# Altium PCB 智能马桶综合检测台V2.0.PcbDoc (part 1 of 2)
Units mil, origin at the board's own origin, x right, y up, seen from the top; angles counter-clockwise.
Board outline 8070.87 x 6102.36 mil, 2 copper layers (Top Layer, Bottom Layer); 199 components, 169 nets, 733 pads, 77 vias.
Unrouted connection lines stored in the file: 91.
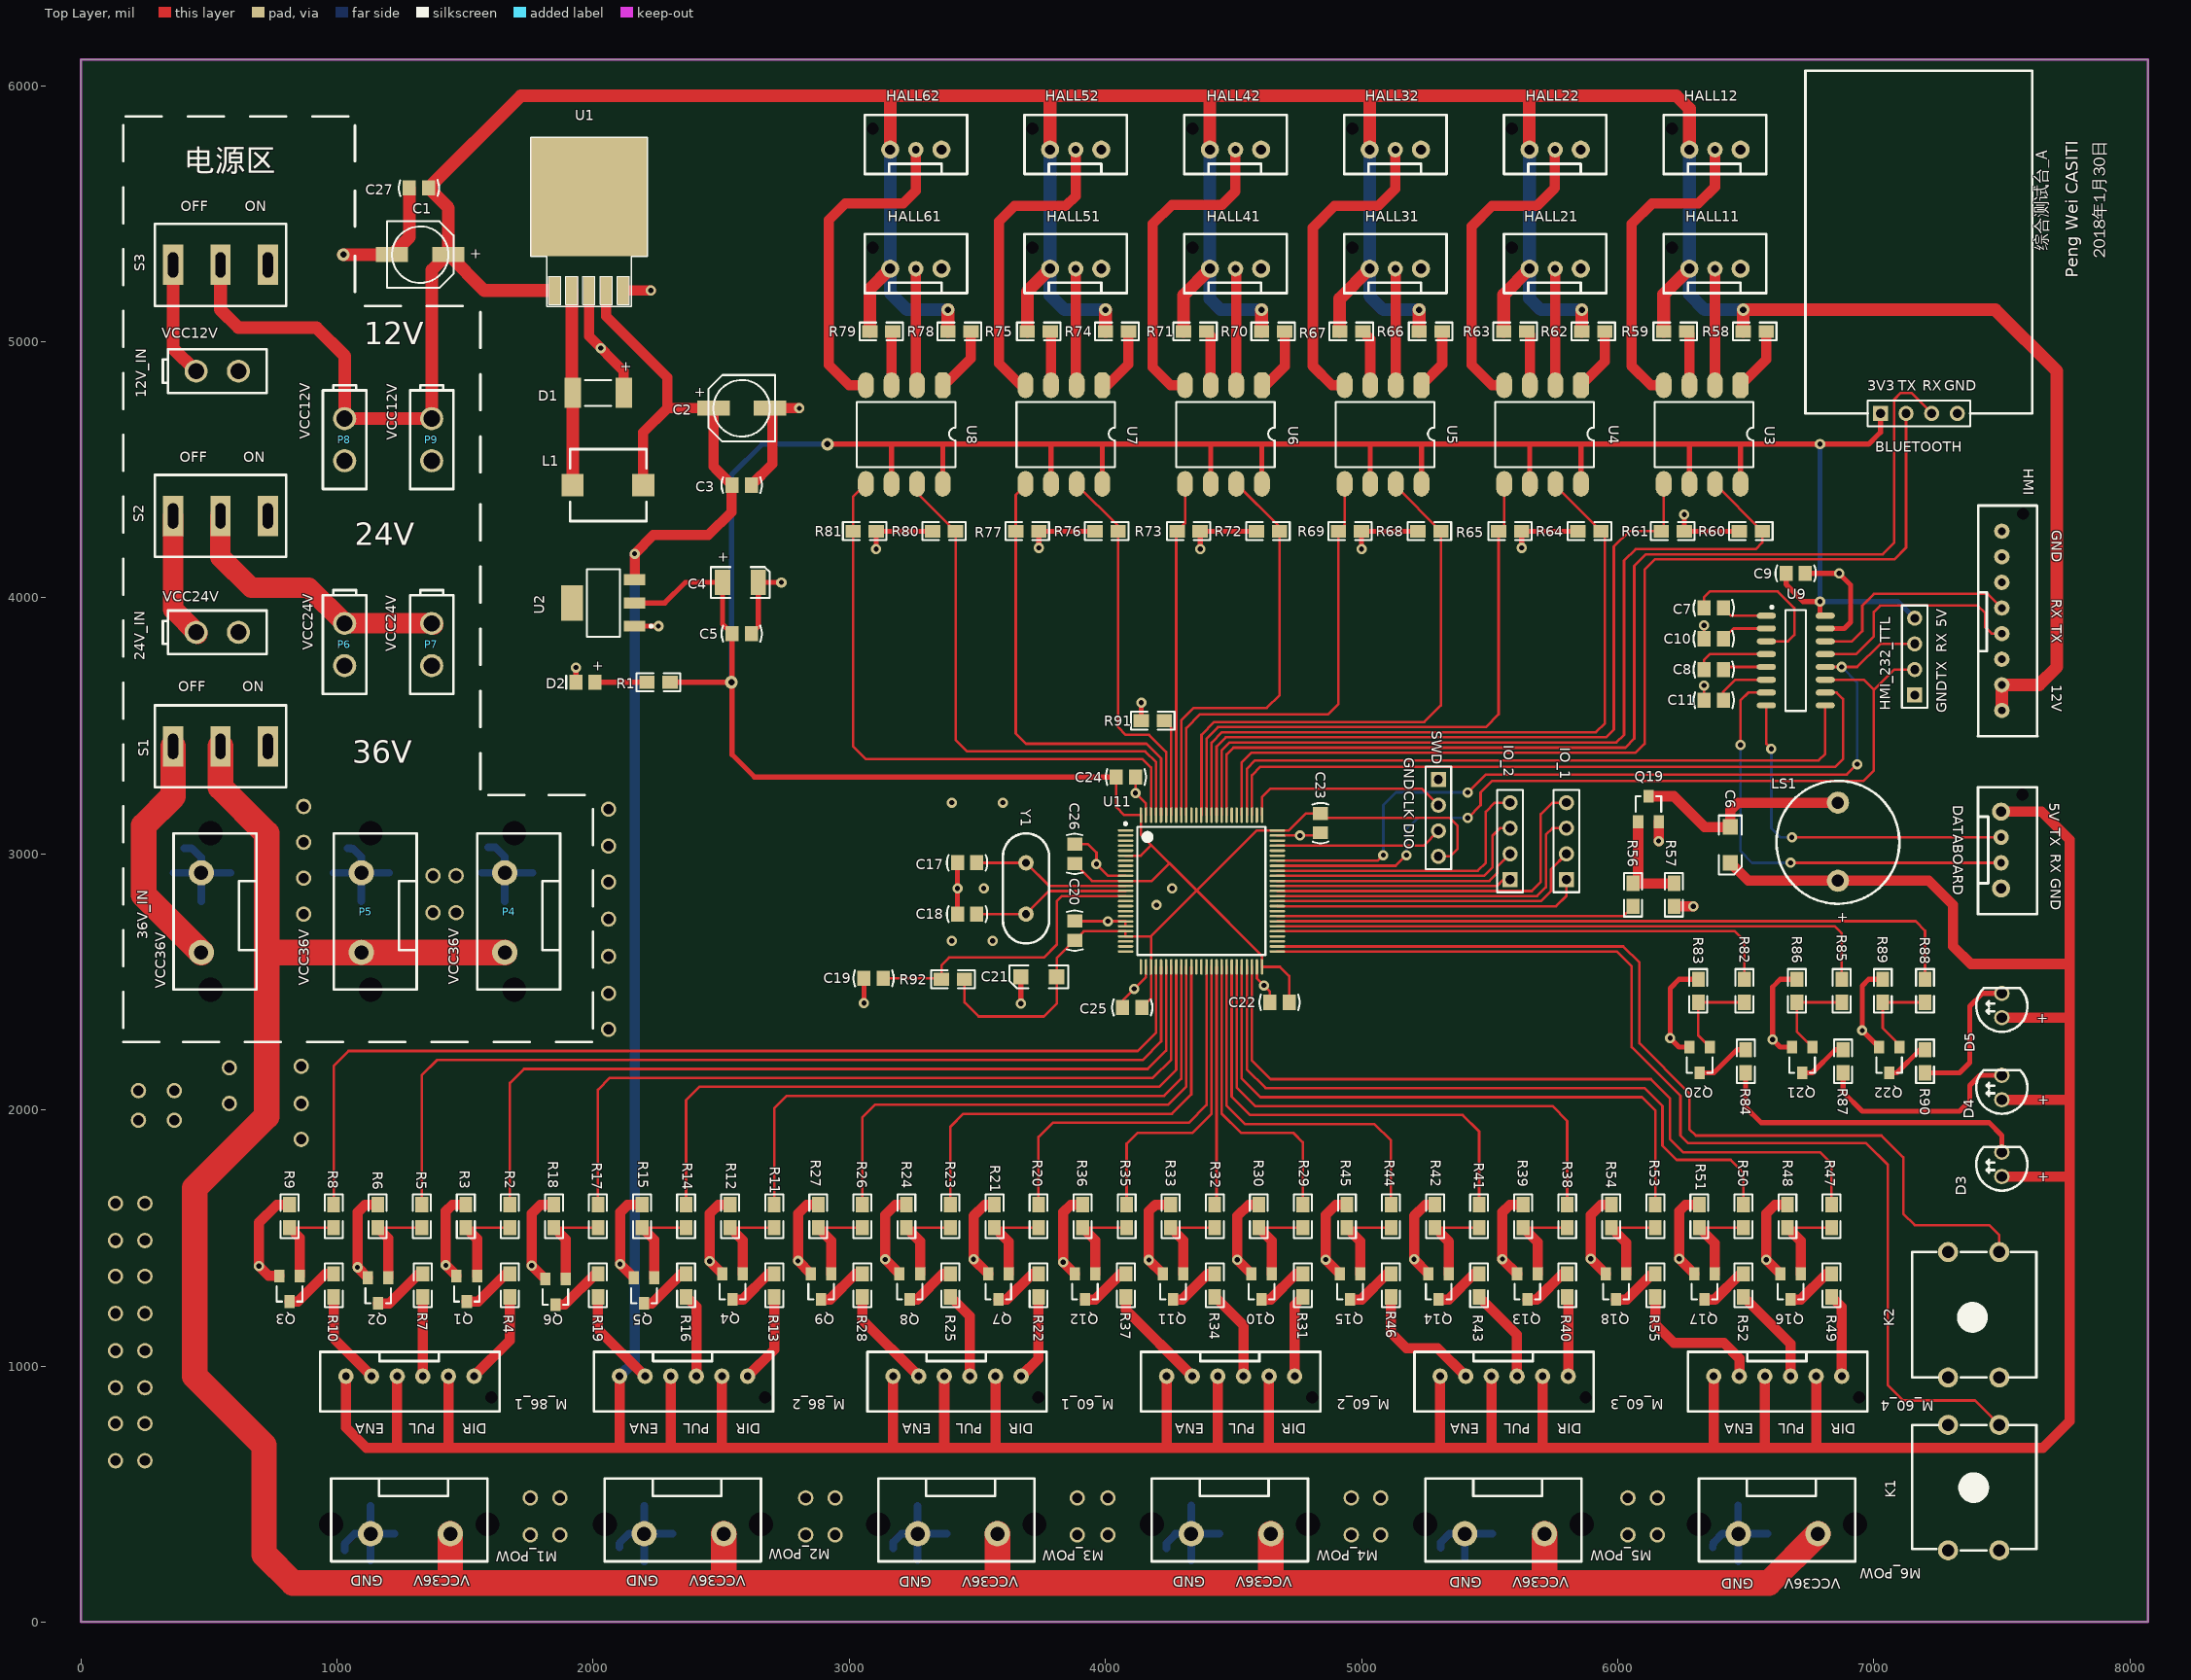
[diagram p0: Top Layer view]
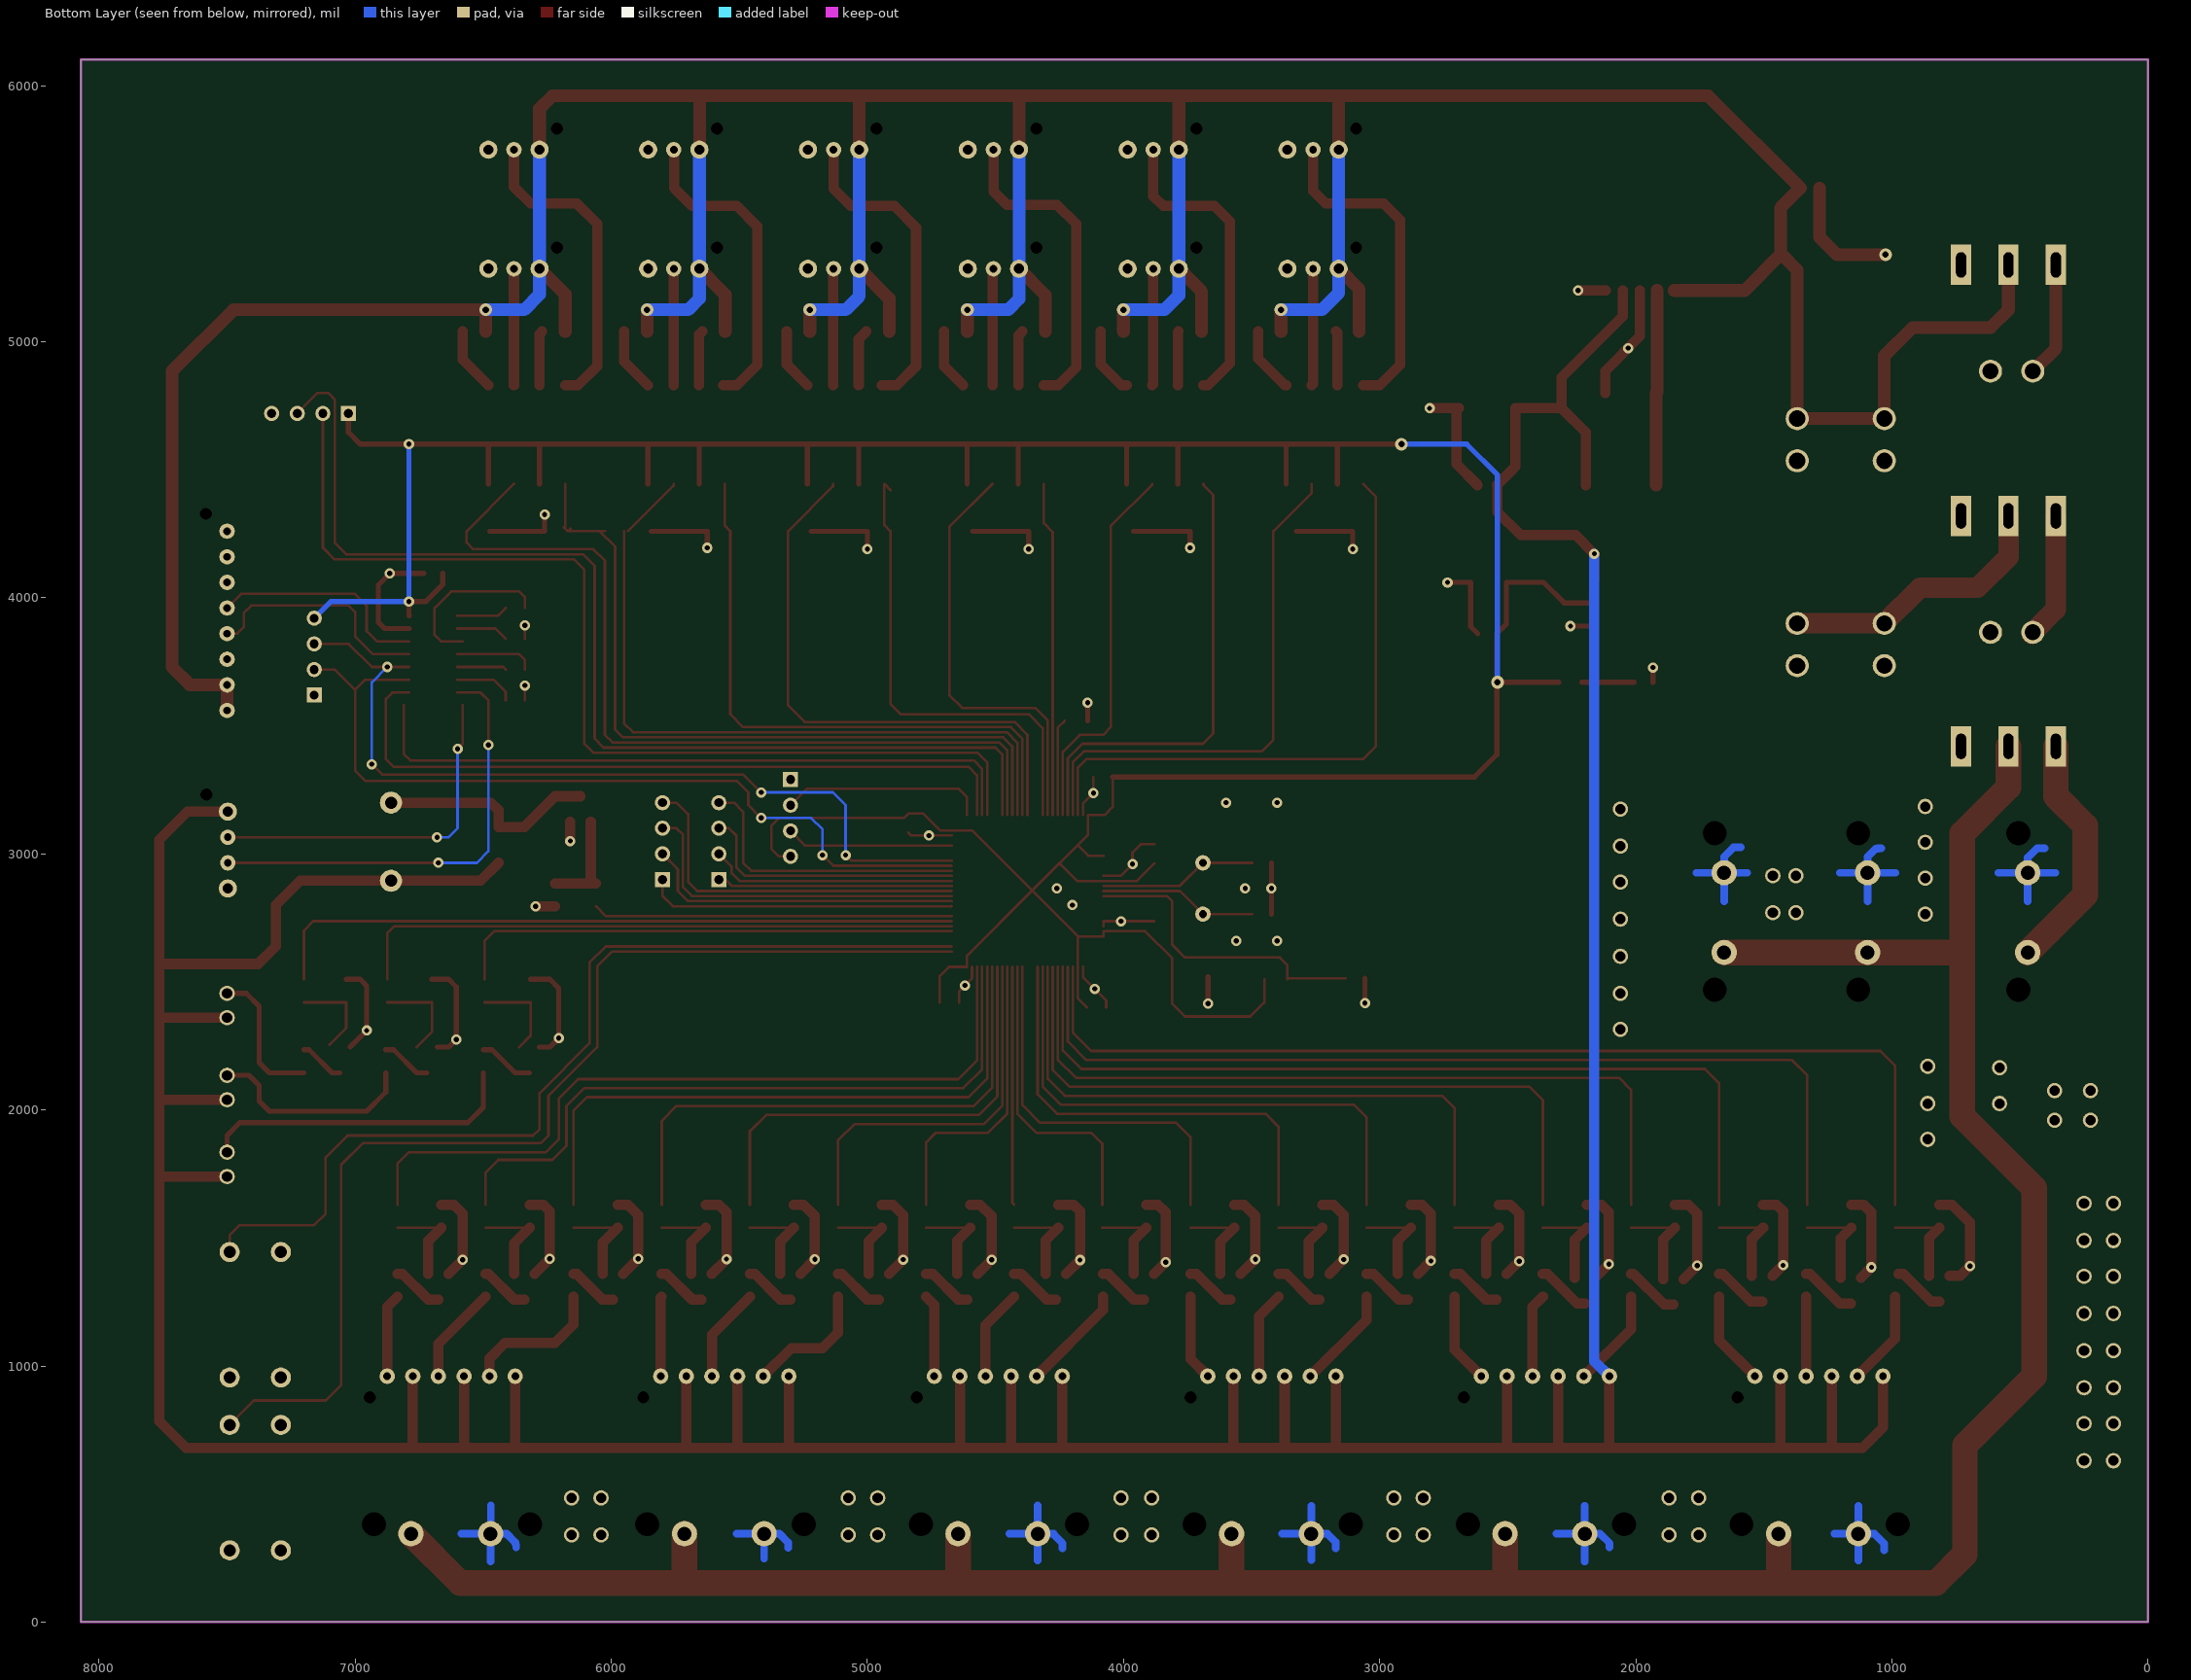
[diagram p1: Bottom Layer view, seen from below]

## Layer stack, top to bottom
Top Solder: solder mask 0.4, Solder Resist, Dk 3.5
Top Layer: signal copper 1.4
Dielectric1: dielectric 12.6, FR-4, Dk 4.8
Bottom Layer: signal copper 1.4
Bottom Solder: solder mask 0.4, Solder Resist, Dk 3.5

## Board outline
0,0 8070.87,0 8070.87,6102.36 0,6102.36

## Design rules (kind name [scope] priority, off if disabled: settings)
Clearance [All] p1: gap=7.87
FabricationTestPointUsage TestPointUsage [All] p1: valid=0 allowmultiple=FALSE
FabricationTestpoint Testpoint [All] p1: side=3 testpointundercomponent=TRUE minsize=40 maxsize=100 preferedsize=60 minholesize=0 maxholesize=40 preferedholesize=32 testpointgrid=1 allowsidetop=TRUE allowsidebottom=TRUE usegrid=TRUE gridtolerance=0.01
HoleSize [All] p1: absolutevalues=TRUE maxlimit=100 minlimit=0 maxpercent=80.000 minpercent=20.000
PolygonConnect PolygonConnect_1 [ViaSize] p1: connectstyle=Direct reliefconductorwidth=10 reliefentries=4 polygonreliefangle="90 Angle" airgapwidth=10
PolygonConnect [All] p2: connectstyle=Relief reliefconductorwidth=10 reliefentries=4 polygonreliefangle="90 Angle" airgapwidth=10
RoutingVias [All] p1: holewidth=25 width=40 viastyle="Through Hole" minholewidth=12 minwidth=24 maxholewidth=100 maxwidth=100
SolderMaskExpansion [All] p1: expansion=4
Width [All] p1: maxlimit=100 minlimit=8 preferedwidth=12
27 further rules are at their usual default settings.

## Components (designator, comment, footprint, x,y, rotation, side; value= is the part's Value field where it differs from the comment)
12V_IN "Header 2H" 4.2mm接插件2P 440,5100 r90 top
24V_IN "Header 2H" 4.2mm接插件2P 440,4080 r90 top
36V_IN "Header 2H" 大端子 470,2615 r90 top
BLUETOOTH "BLE" BLE4.0 6510,5220 r270 top
C1 "Cap Pol" CC6.56.5 1325,5340 r180 top
C2 "Cap Pol" CC6.56.5 2580,4740 r0 top
C3 "Cap" CAP-0805 2580,4440 r180 top
C4 "Cap Pol" 1210 2500,4060 r0 top
C5 "Cap" CAP-0805 2580,3860 r180 top
C6 "Cap" 1206 6440,3035 r270 top
C7 "Cap" CAP-0805 6375,3960 r180 top
C8 "Cap" CAP-0805 6375,3720 r0 top
C9 "Cap" CAP-0805 6695,4095 r180 top
C10 "Cap" CAP-0805 6375,3840 r0 top
C11 "Cap" CAP-0805 6375,3600 r0 top
C17 "Cap" CAP-0805 3460,2965 r0 top
C18 "Cap" CAP-0805 3460,2765 r0 top
C19 "Cap" CAP-0805 3095,2514.01 r180 top
C20 "Cap" CAP-0805 3880,2700 r270 top
C21 "Cap Pol" 1206 3740,2520 r180 top
C22 "Cap" CAP-0805 4680,2420 r180 top
C23 "Cap" CAP-0805 4840,3120 r270 top
C24 "Cap" CAP-0805 4080,3300 r0 top
C25 "Cap" CAP-0805 4105,2400 r180 top
C26 "Cap" CAP-0805 3880,3000 r90 top
C27 "Cap" CAP-0805 1320,5600 r0 top
D1 "Diode" SMA 2120,4800 r180 top
D2 "LED0" LED_0805 1970,3670 r180 top
D3 "LED1" LED 7500,1740 r90 top
D4 "LED1" LED 7500,2040 r90 top
D5 "LED1" LED 7500,2360 r90 top
DATABOARD "Header 4" XH-254-4P 7410,3260 r270 top
HALL11 "Header 3" XH-254-3P-H 6280,5285 r0 top
HALL12 "Header 3" XH-254-3P-H 6280,5750 r0 top
HALL21 "Header 3" XH-254-3P-H 5656,5285 r0 top
HALL22 "Header 3" XH-254-3P-H 5656,5750 r0 top
HALL31 "Header 3" XH-254-3P-H 5032,5285 r0 top
HALL32 "Header 3" XH-254-3P-H 5032,5750 r0 top
HALL41 "Header 3" XH-254-3P-H 4408,5285 r0 top
HALL42 "Header 3" XH-254-3P-H 4408,5750 r0 top
HALL51 "Header 3" XH-254-3P-H 3784,5285 r0 top
HALL52 "Header 3" XH-254-3P-H 3784,5750 r0 top
HALL61 "Header 3" XH-254-3P-H 3160,5285 r0 top
HALL62 "Header 3" XH-254-3P-H 3160,5750 r0 top
HMI "Header 8" XH-2.54-8P-H 7500,4260 r270 top
HMI_232_TTL "Header 4" HDR1X4 7160,3620 r90 top
IO_1 "Header 4" HDR1X4 5800,2900 r90 top
IO_2 "Header 4" HDR1X4 5580,2900 r90 top
K1 "SW-PB" KEY_M#1 7290,395 r90 top
K2 "SW-PB" KEY_M#2 7290,1100 r90 top
L1 "Inductor" 功率电感7*7 1920,4440 r0 top
LS1 "Bell" 有源蜂鸣器5V 6860,2895 r90 top
M1_POW "Header 2H" 大端子 1442.24,345 r180 top
M2_POW "Header 2H" 大端子 2510.24,345 r180 top
M3_POW "Header 2H" 大端子 3578.24,345 r180 top
M4_POW "Header 2H" 大端子 4646.24,345 r180 top
M5_POW "Header 2H" 大端子 5714.24,345 r180 top
M6_POW "Header 2H" 大端子 6782.24,345 r180 top
M_60_1 "Header 6" XH-2.54-6P-H 3671,960 r180 top (schematic designator MOTOR_60_1)
M_60_2 "Header 6" XH-2.54-6P-H 4739,960 r180 top (schematic designator MOTOR_60_2)
M_60_3 "Header 6" XH-2.54-6P-H 5807,960 r180 top (schematic designator MOTOR_60_3)
M_60_4 "Header 6" XH-2.54-6P-H 6875,960 r180 top (schematic designator MOTOR_60_4)
M_86_1 "Header 6" XH-2.54-6P-H 1535,960 r180 top (schematic designator MOTOR_86_1)
M_86_2 "Header 6" XH-2.54-6P-H 2603,960 r180 top (schematic designator MOTOR_86_2)
P4 "Header 2H" 大端子 1655,2615 r90 top
P5 "Header 2H" 大端子 1095,2615 r90 top
P6 "Header 2H" 4.2mm接插件2P 1245,3910 r0 top
P7 "Header 2H" 4.2mm接插件2P 1585,3910 r0 top
P8 "Header 2H" 4.2mm接插件2P 1245,4710 r0 top
P9 "Header 2H" 4.2mm接插件2P 1585,4710 r0 top
Q1 "8050" SOT-23_3C 1546.76,1351.5 r180 top
Q2 "8050" SOT-23_3C 1200.88,1344.5 r180 top
Q3 "8050" SOT-23_3C 855,1351.5 r180 top
Q4 "8050" SOT-23_3C 2584.41,1360 r180 top
Q5 "8050" SOT-23_3C 2238.53,1344.5 r180 top
Q6 "8050" SOT-23_3C 1892.65,1339.5 r180 top
Q7 "8050" SOT-23_3C 3622.06,1360 r180 top
Q8 "8050" SOT-23_3C 3276.18,1360 r180 top
Q9 "8050" SOT-23_3C 2930.29,1360 r180 top
Q10 "8050" SOT-23_3C 4650,1360 r180 top
Q11 "8050" SOT-23_3C 4303.82,1360 r180 top
Q12 "8050" SOT-23_3C 3960,1360 r180 top
Q13 "8050" SOT-23_3C 5687.35,1360 r180 top
Q14 "8050" SOT-23_3C 5341.47,1360 r180 top
Q15 "8050" SOT-23_3C 4995.59,1360 r180 top
Q16 "8050" SOT-23_3C 6715,1360 r180 top
Q17 "8050" SOT-23_3C 6379.12,1360 r180 top
Q18 "8050" SOT-23_3C 6033.23,1360 r180 top
Q19 "8050" SOT-23_3C 6080,3125 r0 top
Q20 "8050" SOT-23_3C 6360,2245 r180 top
Q21 "8050" SOT-23_3C 6760,2245 r180 top
Q22 "8050" SOT-23_3C 7100,2245 r180 top
R1 "Res" 0805 2210,3670 r0 top
R2 "Res" 0805 1675,1630 r270 top
R3 "Res" 0805 1503,1540 r90 top
R4 "Res" 0805 1675,1360 r270 top
R5 "Res" 0805 1331,1630 r270 top
R6 "Res" 0805 1159,1630 r270 top
R7 "Res" 0805 1335,1360 r270 top
R8 "Res" 0805 987,1630 r270 top
R9 "Res" 0805 815,1540 r90 top
R10 "Res" 0805 987,1360 r270 top
R11 "Res" 0805 2707,1630 r270 top
R12 "Res" 0805 2535,1630 r270 top
R13 "Res" 0805 2707,1360 r270 top
R14 "Res" 0805 2363,1630 r270 top
R15 "Res" 0805 2191,1540 r90 top
R16 "Res" 0805 2363,1360 r270 top
R17 "Res" 0805 2019,1630 r270 top
R18 "Res" 0805 1847,1630 r270 top
R19 "Res" 0805 2019,1360 r270 top
R20 "Res" 0805 3739,1630 r270 top
R21 "Res" 0805 3567,1540 r90 top
R22 "Res" 0805 3739,1360 r270 top
R23 "Res" 0805 3395,1630 r270 top
R24 "Res" 0805 3223,1630 r270 top
R25 "Res" 0805 3395,1360 r270 top
R26 "Res" 0805 3051,1630 r270 top
R27 "Res" 0805 2879,1540 r90 top
R28 "Res" 0805 3051,1360 r270 top
R29 "Res" 0805 4771,1630 r270 top
R30 "Res" 0805 4599,1630 r270 top
R31 "Res" 0805 4771,1360 r270 top
R32 "Res" 0805 4427,1630 r270 top
R33 "Res" 0805 4255,1540 r90 top
R34 "Res" 0805 4427,1360 r270 top
R35 "Res" 0805 4083,1630 r270 top
R36 "Res" 0805 3911,1630 r270 top
R37 "Res" 0805 4080,1360 r270 top
R38 "Res" 0805 5803,1540 r90 top
R39 "Res" 0805 5631,1630 r270 top
R40 "Res" 0805 5803,1360 r270 top
R41 "Res" 0805 5459,1540 r90 top
R42 "Res" 0805 5287,1540 r90 top
R43 "Res" 0805 5459,1360 r270 top
R44 "Res" 0805 5115,1540 r90 top
R45 "Res" 0805 4943,1540 r90 top
R46 "Res" 0805 5115,1360 r270 top
R47 "Res" 0805 6835,1540 r90 top
R48 "Res" 0805 6663,1630 r270 top
R49 "Res" 0805 6835,1360 r270 top
R50 "Res" 0805 6491,1540 r90 top
R51 "Res" 0805 6319,1540 r90 top
R52 "Res" 0805 6491,1360 r270 top
R53 "Res" 0805 6147,1540 r90 top
R54 "Res" 0805 5975,1540 r90 top
R55 "Res" 0805 6147,1360 r270 top
R56 "Res" 0805 6060,2795 r90 top
R57 "Res" 0805 6220,2885 r270 top
R58 "Res" 0805 6490,5040 r0 top
R59 "Res" 0805 6180,5040 r0 top
R60 "Res" 0805 6475,4260 r0 top
R61 "Res" 0805 6260,4260 r180 top
R62 "Res" 0805 5860,5040 r0 top
R63 "Res" 0805 5555,5040 r0 top
R64 "Res" 0805 5845,4260 r0 top
R65 "Res" 0805 5625,4260 r180 top
R66 "Res" 0805 5225,5040 r0 top
R67 "Res" 0805 4915,5040 r0 top
R68 "Res" 0805 5220,4260 r0 top
R69 "Res" 0805 5000,4260 r180 top
R70 "Res" 0805 4610,5040 r0 top
R71 "Res" 0805 4305,5040 r0 top
R72 "Res" 0805 4590,4260 r0 top
R73 "Res" 0805 4370,4260 r180 top
R74 "Res" 0805 4000,5040 r0 top
R75 "Res" 0805 3695,5040 r0 top
R76 "Res" 0805 3960,4260 r0 top
R77 "Res" 0805 3740,4260 r180 top
R78 "Res" 0805 3385,5040 r0 top
R79 "Res" 0805 3080,5040 r0 top
R80 "Res" 0805 3325,4260 r0 top
R81 "Res" 0805 3105,4260 r180 top
R82 "Res" 0805 6495,2510 r270 top
R83 "Res" 0805 6315,2420 r90 top
R84 "Res" 0805 6500,2145 r90 top
R85 "Res" 0805 6875,2510 r270 top
R86 "Res" 0805 6700,2420 r90 top
R87 "Res" 0805 6880,2145 r90 top
R88 "Res" 0805 7200,2510 r270 top
R89 "Res" 0805 7035,2420 r90 top
R90 "Res" 0805 7200,2145 r90 top
R91 "Res" 0805 4230,3520 r180 top
R92 "Res" 0805 3360,2510 r0 top
S1 "SW-SPST" 纽子开关 360,3420 r270 top
S2 "SW-SPST" 纽子开关 360,4320 r270 top
S3 "SW-SPST" 纽子开关 360,5300 r270 top
SWD "Header 4" HDR1X4 5300,3290 r270 top
U1 "LM2596S-5.0" TO-263-5L(D2PAK) 1850,5200 r0 top
U2 "AMS1117-3.3" SOT223 2040,3980 r90 top
U3 "TLP521_2" TLP521-2 6480,4815 r270 top
U4 "TLP521_2" TLP521-2 5857,4815 r270 top
U5 "TLP521_2" TLP521-2 5234,4815 r270 top
U6 "TLP521_2" TLP521-2 4611,4815 r270 top
U7 "TLP521_2" TLP521-2 3988,4815 r270 top
U8 "TLP521_2" TLP521-2 3365,4815 r270 top
U9 "MAX232AESE" L16_L 6695,3755 r0 top
U11 "STM32F103VCT6" STM-LQFP100_L 4375,2855 r0 top
Y1 "XTAL" X-HC49U 3690,2865 r270 top

## Footprints (in the part's own frame and the unit in brackets; to place one, negate y for a bottom-side part, rotate by r counter-clockwise, add the part's x,y. Pads: shape width x height; smd on the part's side, far side on the other; paste and mask are expansions set on the pad)
4.2mm接插件2P [mil]
  round 90 hole 62.99: 1(-215,-10) 2(-215,-175)
  silkscreen extent -300,-285 -130,120
0805 [mil]
  rect 60x50 smd: 1(0,0) 2(90,0)
  silkscreen extent -40,-35 130,35
1206 [mil]
  rect 60x60 smd: 1(-70,0) 2(70,0)
  silkscreen extent -115,-45 115,45, body extent -75,-35 75,35, height 39
1210 [mil]
  rect 60x100 smd: 1(5,0) 2(145,0)
  silkscreen extent -40,-60 190,60, body extent 0,-35 150,35, height 39
BLE4.0 [mm]
  rect 1.5x1.5 hole 0.9: 1(12.7,13.106)
  round 1.5 hole 0.9: 2(12.7,15.646) 3(12.7,18.186) 4(12.7,20.726)
  silkscreen extent -21.3,5.67 13.97,28.17
CAP-0805 [mm]
  rect 1.3x1.5 smd: 1(-0.95,0) 2(0.95,0)
  silkscreen extent -2,-0.79 2,0.79, body extent -1.27,-0.64 1.27,0.64, height 0.9
CC6.56.5 [mm]
  rect 3.2x1.5 smd: 1(-2.794,0) 2(2.8,0)
  silkscreen extent -3.3,-3.3 3.3,3.3
HDR1X4 [mm] "Connector; Header; 4 Position"
  rect 1.5x1.5 hole 0.9: 1(0,0)
  round 1.5 hole 0.9: 2(2.54,0) 3(5.08,0) 4(7.62,0)
  silkscreen extent -1.27,-1.27 8.89,1.27
KEY_M#1 [mm]
  round 2 hole 1.2: 1(-2.921,0) 1(9.525,0) 2(-2.921,-5.08) 2(9.525,-5.08)
  silkscreen extent -2.92,-8.76 9.53,3.56
KEY_M#2 [mm]
  round 2 hole 1.2: 1(-3.683,0) 1(8.763,0) 2(-3.683,-5.08) 2(8.763,-5.08)
  silkscreen extent -3.68,-8.76 8.76,3.56
L16_L [mm] "SOIC, 16-Leads, Body 9.9x3.9mm, Pitch 1.27mm, IPC High Density"
  oval 1.9x0.6 smd: 1(-2.905,4.445) 2(-2.905,3.175) 3(-2.905,1.905) 4(-2.905,0.635) 5(-2.905,-0.635) 6(-2.905,-1.905) 7(-2.905,-3.175) 8(-2.905,-4.445) 9(2.937,-4.445) 10(2.937,-3.175) 11(2.937,-1.905) 12(2.937,-0.635) 13(2.937,0.635) 14(2.937,1.905) 15(2.937,3.175) 16(2.937,4.445)
  silkscreen extent -2.47,-5 1,5.42, body extent -1.95,-4.95 1.95,4.95, height 1.75
LED [mil]
  round 60 hole 40: 1(0,0) 2(95,0)
  silkscreen extent -55,-100 116,100
LED_0805 [mm]
  rect 1.3x1.5 smd: 1(-0.95,0) 2(0.95,0)
  silkscreen extent 1.91,-0.63 1.91,0.64
SMA [mm]
  rect 1.65x3 smd: 1(0.015,0) 2(5.065,0)
  silkscreen extent 1.24,-1.27 3.84,1.28, body extent 0.44,-1.35 4.64,1.35, height 0.6
SOT223 [mm] "SOT-223/SC-73; 4 Leads; Body 6.7 x 7.3 mm, inc. leads (LxW max)"
  rect 1.1x2.15 smd: 1(-2.3,-3.1) 2(0,-3.1) 3(2.3,-3.1)
  rect 3.5x2.15 smd: 4(0,3.1)
  silkscreen extent -3.35,-4.85 3.35,1.63
SOT-23_3C [mil]
  rect 40x50 smd: 1(0,0) 2(80,0) 3(40,100)
  silkscreen extent -10,40 90,100
STM-LQFP100_L [mm] "Thin QFP, 100-Leads, Body 14x14mm, Pitch 0.5mm, IPC High Density"
  oval 1.55x0.25 smd: 1(-7.525,6) 2(-7.525,5.5) 3(-7.525,5) 4(-7.525,4.5) 5(-7.525,4) 6(-7.525,3.5) 7(-7.525,3) 8(-7.525,2.5) 9(-7.525,2) 10(-7.525,1.5) 11(-7.525,1) 12(-7.525,0.5) 13(-7.525,0) 14(-7.525,-0.5) 15(-7.525,-1) 16(-7.525,-1.5) 17(-7.525,-2) 18(-7.525,-2.5) 19(-7.525,-3) 20(-7.525,-3.5) 21(-7.525,-4) 22(-7.525,-4.5) 23(-7.525,-5) 24(-7.525,-5.5) 25(-7.525,-6) 51(7.525,-6) 52(7.525,-5.5) 53(7.525,-5) 54(7.525,-4.5) 55(7.525,-4) 56(7.525,-3.5) 57(7.525,-3) 58(7.525,-2.5) 59(7.525,-2) 60(7.525,-1.5) 61(7.525,-1) 62(7.525,-0.5) 63(7.525,0) 64(7.525,0.5) 65(7.525,1) 66(7.525,1.5) 67(7.525,2) 68(7.525,2.5) 69(7.525,3) 70(7.525,3.5) 71(7.525,4) 72(7.525,4.5) 73(7.525,5) 74(7.525,5.5) 75(7.525,6)
  oval 0.25x1.55 smd: 26(-6,-7.525) 27(-5.5,-7.525) 28(-5,-7.525) 29(-4.5,-7.525) 30(-4,-7.525) 31(-3.5,-7.525) 32(-3,-7.525) 33(-2.5,-7.525) 34(-2,-7.525) 35(-1.5,-7.525) 36(-1,-7.525) 37(-0.5,-7.525) 38(0,-7.525) 39(0.5,-7.525) 40(1,-7.525) 41(1.5,-7.525) 42(2,-7.525) 43(2.5,-7.525) 44(3,-7.525) 45(3.5,-7.525) 46(4,-7.525) 47(4.5,-7.525) 48(5,-7.525) 49(5.5,-7.525) 50(6,-7.525) 76(6,7.525) 77(5.5,7.525) 78(5,7.525) 79(4.5,7.525) 80(4,7.525) 81(3.5,7.525) 82(3,7.525) 83(2.5,7.525) 84(2,7.525) 85(1.5,7.525) 86(1,7.525) 87(0.5,7.525) 88(0,7.525) 89(-0.5,7.525) 90(-1,7.525) 91(-1.5,7.525) 92(-2,7.525) 93(-2.5,7.525) 94(-3,7.525) 95(-3.5,7.525) 96(-4,7.525) 97(-4.5,7.525) 98(-5,7.525) 99(-5.5,7.525) 100(-6,7.525)
  silkscreen extent -7.65,-6.35 6.35,6.8, body extent -7,-7 7,7, height 1.6
TLP521-2 [mil]
  oct 100x62 smd: 1(-15,0)
  oval 100x62 smd: 2(-15,-100) 3(-15,-200) 4(-15,-300) 5(370,-300) 6(370,-200) 7(370,-100) 8(370,0)
  silkscreen extent 50,-335 305,50
TO-263-5L(D2PAK) [mm]
  rect 1.203x2.803 smd: 1(0,0) 2(1.7,0) 3(3.4,0) 4(5.1,0) 5(6.8,0)
  rect 11.6x11.8 smd: 3(3.412,9.297)
  silkscreen extent -2.4,-1.6 9.2,15.2, body extent -1.65,-0.84 8.51,13.39, height 4.87
X-HC49U [mil]
  round 60 hole 32: 1(-100,0) 2(100,0)
  silkscreen extent -215,-90 215,90
XH-2.54-6P-H [mil]
  round 0 hole 47.24: 0(-68,83)
  round 60 hole 30: 1(0,0) 2(100,0) 3(200,0) 4(300,0) 5(400,0) 6(500,0)
  silkscreen extent -100,-95 600,138
XH-2.54-8P-H [mil]
  round 0 hole 47.24: 0(-68,83)
  round 60 hole 30: 1(0,0) 2(100,0) 3(200,0) 4(300,0) 5(400,0) 6(500,0) 7(600,0) 8(700,0)
  silkscreen extent -100,-93 800,139
XH-254-3P-H [mm]
  round 0 hole 1.2: 0(-1.727,2.108)
  round 1.8 hole 1: 1(0,0) 3(5.08,0)
  round 1.524 hole 0.762: 2(2.54,0)
  silkscreen extent -2.54,-2.41 7.62,3.43
XH-254-4P [mil]
  round 0 hole 47.24: 0(28,170)
  round 70.87 hole 39.37: 1(95,87) 4(395,87)
  round 60 hole 30: 2(195,87) 3(295,87)
  silkscreen extent 0,-3 495,227
功率电感7*7 [mm]
  rect 2.2x2.2 smd: 1(0,0) 2(7,0)
  silkscreen extent -0.27,-3.57 7.31,3.57
大端子 [mm]
  round 0 hole 2.4: 0(-3.683,-0.94) 0(11.811,-0.94)
  round 2.5 hole 1.4: 1(0,0) 2(7.9,0)
  silkscreen extent -3.68,-5.49 11.81,2.74
有源蜂鸣器5V [mm]
  round 2.2 hole 1.2: 1(0,0) 2(7.747,0)
  silkscreen extent -2.29,-6.1 9.91,6.09
纽子开关 [mm]
  rect 4x2 hole 1 slot 2.5 at 0 deg: 1(0,0) 2(0,4.7) 3(0,9.4)
  silkscreen extent -4.06,-1.8 4.06,11.2

## Part data
12V_IN 24V_IN 36V_IN M1_POW M2_POW M3_POW M4_POW M5_POW M6_POW P4 P5 P6 P7 P8 P9: "Header, 2-Pin, Right Angle"
BLUETOOTH: library part BLE4.0
C1 C2: "极性电解电容"
C3 C6 C7 C8 C9 C10 C11 C17 C18 C19 C20 C22 C23 C24 C25 C26 C27: "无极性电容"
C4 C21: library part Cap, "无极性电容"
C5: library part "Cap Pol", "极性电解电容"
D1: "二极管"
D2: "发光二极管"
D3 D4 D5: "Typical RED GaAs LED"
DATABOARD HMI_232_TTL IO_1 IO_2 SWD: "Header, 4-Pin"
HALL11 HALL12 HALL21 HALL22 HALL31 HALL32 HALL41 HALL42 HALL51 HALL52 HALL61 HALL62: "Header, 3-Pin"
HMI: "Header, 8-Pin"
K1 K2: "Switch"
LS1: "Electrical Bell"
M_60_1 M_60_2 M_60_3 M_60_4 M_86_1 M_86_2: "Header, 6-Pin"
Q1 Q3 Q4 Q5 Q6 Q7 Q8 Q9 Q10 Q11 Q12 Q13 Q14 Q15 Q16 Q17 Q18 Q19 Q20 Q21 Q22: library part NPN(1)
Q2: library part "MOSFET P"
R1 R2 R3 R5 R6 R7 R8 R9 R10 R11 R12 R13 R14 R15 R16 R17 R18 R19 R20 R21 R22 R23 R24 R25 R26 R27 R28 R29 R30 R31 R32 R33 R34 R35 R36 R37 R38 R39 R40 R41 R42 R43 R44 R45 R46 R47 R48 R49 R50 R51 R52 R53 R54 R55 R56 R57 R58 R59 R60 R61 R62 R63 R64 R65 R66 R67 R68 R69 R70 R71 R72 R73 R74 R75 R76 R77 R78 R79 R80 R81 R82 R83 R84 R85 R86 R87 R88 R89 R90 R91 R92: library part Res1, "贴片电阻"
R4: library part RES
S1 S2 S3: "Single-Pole, Single-Throw Switch"
U1: library part MC74HC4049D, "Hex Inverting Buffer/Logic-Level Down Converter"
U2: library part 7805
U9: "+5V-Powered, Multichannel RS-232 Driver/Receiver"
U11: "ARM Cortex-M3 32-bit MCU, 256 KB Flash, 48 KB Internal RAM, 80 I/Os, 100-pin LQFP, -40 to 85 degC, Tray"
Y1: "晶振"

## Free pads (board coordinates)
  round 60 hole 40: 0(135,630) 0(135,775) 0(135,915) 0(135,1060) 0(135,1205) 0(135,1350) 0(135,1490) 0(135,1635) 0(225,1960) 0(225,2075) 0(250,630) 0(250,775) 0(250,915) 0(250,1060) 0(250,1205) 0(250,1350) 0(250,1490) 0(250,1635) 0(365,1960) 0(365,2075) 0(580,2025) 0(580,2165) 0(860,1885) 0(860,2025) 0(860,2170) 0(870,2765) 0(870,2905) 0(870,3045) 0(870,3185) 0(1375,2770) 0(1375,2915) 0(1465,2770) 0(1465,2915) 0(1755,340) 0(1755,485) 0(1870,340) 0(1870,485) 0(2060,2315) 0(2060,2455) 0(2060,2600) 0(2060,2745) 0(2060,2890) 0(2060,3030) 0(2060,3175) 0(2830,340) 0(2830,485) 0(2945,340) 0(2945,485) 0(3890,340) 0(3890,485) 0(4010,340) 0(4010,485) 0(4960,340) 0(4960,485) 0(5075,340) 0(5075,485) 0(6040,340) 0(6040,485) 0(6155,340) 0(6155,485)

## Via types
v1: diameter 40, hole 20, Top Layer to Bottom Layer, 68 vias
v2: diameter 50, hole 25, Top Layer to Bottom Layer, 9 vias

## Nets (pads, with @x,y where several pads share a name; then routed paths per layer and width w, separated by ;. In a path a pad name is that pad's centre, name@x,y a point inside that pad or via, vN(x,y) a via of type N, cw(c..) or ccw(c..) an arc to the next point about the centre after c; other vN are vias at no path point)
36V_AGND: 36V_IN.2 M1_POW.2 M2_POW.2 M3_POW.2 M4_POW.2 M5_POW.2 M6_POW.2 P4.2 P5.2 | length 3993.2
  Bottom Layer w30: 361.02,2926.02 583.98,2926.02 ; 403.78,3021.22 429.44,3021.22 ; 432.5,3022.5 470,2985 470,2815 ; 986.02,2926.02 1203.98,2926.02 ; 1030,280 1030,306.32 1068.68,345 1225,345 ; 1041.22,3021.22 1054.44,3021.22 ; 1055,3020 1063.56,3020 1095,2988.56 1095,2815 ; 1131.22,241.22 1131.22,453.78 ; 1566.02,2926.02 1763.98,2926.02 ; 1590,3025 1618.56,3025 1655,2988.56 1655,2815 ; 2102.38,292.38 2102.38,307.62 2139.75,345 2310,345 ; 2199.22,235.78 2199.22,454.22 ; 3172.34,287.66 3172.34,312.66 3204.68,345 3380,345 ; 3267.22,242.22 3267.22,452.78 ; 4237.88,287.88 4237.88,307.12 4272.68,341.93 4272.68,345 4445,345 ; 4335,240 M4_POW.2@4335,345 ; M4_POW.2@4335.22,345 4335.22,454.78 ; 5310,290 5310,311.25 5343.75,345 5510,345 ; 5403.22,248.22 M5_POW.2@5403.22,345 ; 6371.53,291.53 6371.53,300.75 ; 6375,305 6375,311.32 6408.68,345 6585,345 ; M6_POW.2@6470,345 6470,455 ; 6471.22,236.22 M6_POW.2@6471.22,345
60_1_DIR: R20.1 U11.39 | length 1510.8
  Top Layer w10: R20.1@3739,1630 3739,1894 3795,1950 4325,1950 4394.69,2019.69 U11.39@4394.69,2558.74
60_1_DIR_OUT: M_60_1.1 R22.2 | length 338.2
  Top Layer w40: M_60_1.1@3671,960 3739,1028 R22.2@3739,1270
60_1_ENA: R26.1 U11.35 | length 2123.4
  Top Layer w10: R26.1@3051,1630 3051,1971 3100,2020 4245,2020 4315.94,2090.94 U11.35@4315.94,2558.74
60_1_ENA_OUT: M_60_1.5 R28.2 | length 401.1
  Top Layer w40: R28.2@3051,1270 3051,1180 M_60_1.5@3271,960
60_1_PUL: R23.1 U11.36 | length 1795.8
  Top Layer w10: R23.1@3395,1630 3395,1935 3445,1985 4260,1985 4335.63,2060.63 U11.36@4335.63,2558.74
60_1_PUL_OUT: M_60_1.3 R25.2 | length 341.5
  Top Layer w40: R25.2@3395,1270 3471,1194 M_60_1.3@3471,960
60_2_DIR: R29.1 U11.42 | length 1180.2
  Top Layer w10: U11.42@4453.74,2558.74 4453.74,1986.26 4530,1910 4735,1910 4771,1874 R29.1@4771,1630
60_2_DIR_OUT: M_60_2.1 R31.2 | length 323.3
  Top Layer w40: M_60_2.1@4739,960 4739,1238 R31.2@4771,1270
60_2_ENA: R35.1 U11.40 | length 1191.9
  Top Layer w10: R35.1@4083,1630 4083,1868 4125,1910 4340,1910 4414.37,1984.37 U11.40@4414.37,2558.74
60_2_ENA_OUT: M_60_2.5 R37.2 | length 417.3
  Top Layer w40: R37.2@4080,1270 4080,1219 M_60_2.5@4339,960
60_2_PUL: R32.1 U11.41 | length 931.7
  Top Layer w10: R32.1@4427,1630 4434.06,1637.06 U11.41@4434.06,2558.74
60_2_PUL_OUT: M_60_2.3 R34.2 | length 356.4
  Top Layer w40: R34.2@4427,1270 4539,1158 M_60_2.3@4539,960
60_3_DIR: R38.2 U11.45 | length 2142.7
  Top Layer w10: U11.45@4512.8,2558.74 4512.8,2087.2 4585,2015 5745,2015 5803,1957 R38.2@5803,1630
60_3_DIR_OUT: M_60_3.1 R40.2 | length 311.7
  Top Layer w40: R40.2@5803,1270 5807,1266 M_60_3.1@5807,960
60_3_ENA: R44.2 U11.43 | length 1490.3
  Top Layer w10: U11.43@4473.43,2558.74 4473.43,2016.57 4545,1945 5050,1945 5115,1880 R44.2@5115,1630
60_3_ENA_OUT: M_60_3.5 R46.2 | length 502.4
  Top Layer w40: R46.2@5115,1270 5115,1130 5175,1070 5297,1070 M_60_3.5@5407,960
60_3_PUL: R41.2 U11.44 | length 1815
  Top Layer w10: U11.44@4493.11,2558.74 4493.11,2051.89 4565,1980 5395,1980 5459,1916 R41.2@5459,1630
60_3_PUL_OUT: M_60_3.3 R43.2 | length 371.3
  Top Layer w40: R43.2@5459,1270 5607,1122 M_60_3.3@5607,960
60_4_DIR: R47.2 U11.48 | length 3049.5
  Top Layer w10: U11.48@4571.85,2558.74 4571.85,2193.15 4645,2120 6130,2120 6205,2045 6205,1885 6255,1835 6790,1835 6835,1790 R47.2@6835,1630
60_4_DIR_OUT: M_60_4.1 R49.2 | length 326.6
  Top Layer w40: R49.2@6835,1270 6875,1230 M_60_4.1@6875,960
60_4_ENA: R53.2 U11.46 | length 2470.3
  Top Layer w10: U11.46@4532.48,2558.74 4532.48,2122.52 4605,2050 6095,2050 6147,1998 R53.2@6147,1630
60_4_ENA_OUT: M_60_4.5 R55.2 | length 560.1
  Top Layer w40: R55.2@6147,1270 6147,1163 6220,1090 6415,1090 6475,1030 M_60_4.5@6475,960
60_4_PUL: R50.2 U11.47 | length 2722.4
  Top Layer w10: U11.47@4552.17,2558.74 4552.17,2157.83 4625,2085 6105,2085 6175,2015 6175,1860 6230,1805 6441,1805 6491,1755 R50.2@6491,1630
60_4_PUL_OUT: M_60_4.3 R52.2 | length 386.2
  Top Layer w40: R52.2@6491,1270 6675,1086 M_60_4.3@6675,960
86_1_DIR: R2.1 U11.31 | length 3416.4
  Top Layer w10: R2.1@1675,1630 1675,2105 1730,2160 4165,2160 4237.2,2232.2 U11.31@4237.2,2558.74
86_1_DIR_OUT: M_86_1.1 R4.2 | length 368
  Top Layer w40: M_86_1.1@1535,960 1675,1100 R4.2@1675,1270
86_1_ENA: R8.1 U11.29 | length 4063.3
  Top Layer w10: R8.1@987,1630 987,2172 1045,2230 4125.67,2230 4197.83,2302.17 U11.29@4197.83,2558.74
86_1_ENA_OUT: M_86_1.5 R10.2 | length 371.3
  Top Layer w40: R10.2@987,1270 987,1108 M_86_1.5@1135,960
86_1_PUL: R5.1 U11.30 | length 3738.2
  Top Layer w10: R5.1@1331,1630 1331,2136 1390,2195 4145,2195 4217.52,2267.52 U11.30@4217.52,2558.74
86_1_PUL_OUT: M_86_1.3 R7.2 | length 310
  Top Layer w40: M_86_1.3@1335,960 R7.2@1335,1270
86_2_DIR: R11.1 U11.34 | length 2451.1
  Top Layer w10: R11.1@2707,1630 2707,2007 2755,2055 4230,2055 4296.26,2121.26 U11.34@4296.26,2558.74
86_2_DIR_OUT: M_86_2.1 R13.2 | length 353.1
  Top Layer w40: M_86_2.1@2603,960 2707,1064 R13.2@2707,1270
86_2_ENA: R17.1 U11.32 | length 3097.6
  Top Layer w10: R17.1@2019,1630 2019,2079 2065,2125 4185,2125 4256.89,2196.89 U11.32@4256.89,2558.74
86_2_ENA_OUT: M_86_2.5 R19.2 | length 386.2
  Top Layer w40: R19.2@2019,1270 2019,1144 M_86_2.5@2203,960
86_2_PUL: R14.1 U11.33 | length 2772.9
  Top Layer w10: R14.1@2363,1630 2363,2038 2415,2090 4210,2090 4276.57,2156.57 U11.33@4276.57,2558.74
86_2_PUL_OUT: M_86_2.3 R16.2 | length 326.6
  Top Layer w40: R16.2@2363,1270 2403,1230 M_86_2.3@2403,960
AGND: 12V_IN.2 24V_IN.2 BLUETOOTH.4 C1.2 C2.2 C3.1 C4.2 C5.1 C9.1 C10.1 C11.1 C17.1 C18.1 C19.2 C20.1 C21.2 C22.2 C23.2 C24.2 C25.2 C26.2 C27.1 D1.1 D2.2 DATABOARD.4 HALL11.3 HALL12.3 HALL21.3 HALL22.3 HALL31.3 HALL32.3 HALL41.3 HALL42.3 HALL51.3 HALL52.3 HALL61.3 HALL62.3 HMI.1 HMI.2 HMI_232_TTL.1 K1.1 K2.1 P6.2 P7.2 P8.2 P9.2 Q1.2 Q2.2 Q3.2 Q4.2 Q5.2 Q6.2 Q7.2 Q8.2 Q9.2 Q10.2 Q11.2 Q12.2 Q13.2 Q14.2 Q15.2 Q16.2 Q17.2 Q18.2 Q19.2 Q20.2 Q21.2 Q22.2 R3.2 R6.1 R9.2 R12.1 R15.2 R18.1 R21.2 R24.1 R27.2 R30.1 R33.2 R36.1 R39.1 R42.2 R45.2 R48.1 R51.2 R54.2 R57.2 R60.1 R61.1 R64.1 R65.1 R68.1 R69.1 R72.1 R73.1 R76.1 R77.1 R80.1 R81.1 R83.2 R86.2 R89.2 R91.2 SWD.1 U1.3@1983.86,5200 U1.5 U2.1 U9.15 U11.10 U11.19 U11.20 U11.27 U11.49 U11.74 U11.99 | length 13699.6
  Top Layer w10: C26.2@3880,3037.4 3932.6,3037.4 3965,3005 v1(3965,2960) 4010.94,2914.06 U11.10@4078.74,2914.06 ; C20.1@3880.51,2736.89 U11.19@4078.74,2736.89 U11.20@4078.74,2717.2 ; C25.2@4067.6,2400 4067.6,2427.6 4158.46,2518.46 U11.27@4158.46,2558.74 ; C24.2@4117.4,3300 v1(4117.4,3237.6) 4158.46,3196.54 U11.99@4158.46,3151.26 ; U11.49@4591.54,2558.74 4591.54,2513.46 4642.6,2462.4 C22.2@4642.6,2420 ; U11.74@4671.26,3071.54 4828.94,3071.54 C23.2@4840,3082.6 ; C11.1@6337.6,3600 v1(6337.6,3657.6) ; C10.1@6337.6,3840 v1(6337.6,3892.6)
  Top Layer w20: D2.2@1932.6,3670 v1(1932.6,3727.6) ; U2.1@2162.05,3889.45 v1(2255,3889.45) ; C5.1@2617.4,3860 2645,3887.6 C4.2@2645,4060 v1(2735,4060) ; v1(3057.6,2417.6) C19.2@3057.6,2514.01 ; v1(3105,4190) R81.1@3105,4260 R80.1@3325,4260 ; C18.1@3422.6,2765 C17.1@3422.6,2965 ; v1(3670,2415) C21.2@3670,2520 ; v1(3740,4195) R77.1@3740,4260 R76.1@3960,4260 ; R91.2@4140,3520 v1(4140,3590) ; v1(4370,4190) R73.1@4370,4260 R72.1@4590,4260 ; v1(5000,4190) R69.1@5000,4260 R68.1@5220,4260 ; v1(5625,4195) R65.1@5625,4260 R64.1@5845,4260 ; v1(6260,4325) R61.1@6260,4260 R60.1@6475,4260 ; Q20.2@6280,2245 6240,2245 v1(6205,2280) 6205,2475 6240,2510 R83.2@6315,2510 ; Q21.2@6680,2245 6635,2245 v1(6605,2275) 6605,2480 6635,2510 R86.2@6700,2510 ; C9.1@6732.4,4095 v1(6865,4095) 6910,4050 6910,3905 6885,3880 U9.15@6789.49,3880 ; Q22.2@7020,2245 v1(6955,2310) 6955,2485 6980,2510 R89.2@7035,2510
  Top Layer w40: Q3.2@775,1351.5 733.5,1351.5 v1(695,1390) 695,1560 765,1630 R9.2@815,1630 ; Q2.2@1120.88,1344.5 v1(1080,1385.38) 1080,1600 1110,1630 R6.1@1159,1630 ; Q1.2@1466.76,1351.5 v1(1425,1393.26) 1425,1605 1450,1630 R3.2@1503,1630 ; Q6.2@1812.65,1339.5 v1(1760,1392.15) 1760,1595 1795,1630 R18.1@1847,1630 ; U1.3@1983.86,5200 1983.86,5021.14 2119.41,4885.59 D1.1@2119.41,4800 ; U1.5@2117.72,5200 v1(2225,5200) ; Q5.2@2158.53,1344.5 v1(2105,1398.03) 2105,1600 2135,1630 R15.2@2191,1630 ; Q4.2@2504.41,1360 v1(2455,1409.41) 2455,1595 2490,1630 R12.1@2535,1630 ; C3.1@2617.4,4440 2700,4522.6 C2.2@2700,4740 ; C2.2@2690.24,4740 v1(2805,4740) ; Q9.2@2850.29,1360 v1(2800,1410.29) 2800,1595 2835,1630 R27.2@2879,1630 ; Q8.2@3196.18,1360 v1(3140,1416.18) 3140,1590 3180,1630 R24.1@3223,1630 ; Q7.2@3542.06,1360 v1(3485,1417.06) 3485,1585 3530,1630 R21.2@3567,1630 ; Q12.2@3880,1360 v1(3835,1405) 3835,1600 3865,1630 R36.1@3911,1630 ; Q11.2@4223.82,1360 v1(4170,1413.82) 4170,1605 4195,1630 R33.2@4255,1630 ; Q10.2@4570,1360 v1(4515,1415) 4515,1585 4560,1630 R30.1@4599,1630 ; Q15.2@4915.59,1360 v1(4860,1415.59) 4860,1590 4900,1630 R45.2@4943,1630 ; Q14.2@5261.47,1360 v1(5205,1416.47) 5205,1585 5250,1630 R42.2@5287,1630 ; Q13.2@5607.35,1360 v1(5550,1417.35) 5550,1600 5580,1630 R39.1@5631,1630 ; Q18.2@5953.23,1360 v1(5895,1418.23) 5895,1590 5935,1630 R54.2@5975,1630 ; v1(6160,3050) Q19.2@6160,3125 ; R57.2@6220,2795 v1(6295,2795) ; Q17.2@6299.12,1360 v1(6240,1419.12) 6240,1605 6265,1630 R51.2@6319,1630 ; Q16.2@6635,1360 v1(6580,1415) 6580,1595 6615,1630 R48.1@6663,1630
  Top Layer w50: v2(1025,5340) C1.2@1214.76,5340 1282.6,5407.83 C27.1@1282.6,5600
  other v1: 4112.75,2472.75 4618.96,2486.04 3400,2660 3560,2660 4010,2736.89 4200,2800 3422.6,2865 3525,2865 4260,2865 4760,3071.54 3400,3200 3600,3200 2030,4975
BT_RX: BLUETOOTH.3 U11.83 | length 4331
  Top Layer w10: U11.83@4473.43,3151.26 4473.43,3388.43 4500,3415 6030,3415 6065,3450 6065,4125 6110,4170 7035,4170 7080,4215 7080,4775 7105,4800 7146,4800 BLUETOOTH.3@7226,4720
BT_TX: BLUETOOTH.2 U11.80 | length 4069.4
  Top Layer w10: U11.80@4532.48,3151.26 4532.48,3357.48 4570,3395 6070,3395 6105,3430 6105,4110 6145,4150 7080,4150 7126,4196 BLUETOOTH.2@7126,4720
BUZZ_OUT: R56.1 U11.58 | length 1404.7
  Top Layer w10: U11.58@4671.26,2756.57 6021.57,2756.57 R56.1@6060,2795
DATABOARD_232RX: DATABOARD.3 U9.7 | length 1758.6
  Top Layer w10: v1(6480,3425) 6480,3600 6510,3630 U9.7@6600.51,3630 ; v1(6675,2965) DATABOARD.3@7497,2965
  Bottom Layer w10: v1(6480,3425) 6480,3010 6525,2965 v1(6675,2965)
DATABOARD_232TX: DATABOARD.2 U9.8 | length 1399.5
  Top Layer w10: U9.8@6580.63,3580 6580.63,3429.37 v1(6600,3410) ; v1(6680,3065) DATABOARD.2@7497,3065
  Bottom Layer w10: v1(6600,3410) 6600,3100 6635,3065 v1(6680,3065)
DATABOARD_RX: U9.9 U11.79 | length 2653
  Top Layer w10: U11.79@4552.17,3151.26 4552.17,3332.17 4585,3365 6785,3365 6810.63,3390.63 U9.9@6810.63,3580
DATABOARD_TX: U9.10 U11.78 | length 2825.8
  Top Layer w10: U11.78@4571.85,3151.26 4571.85,3306.85 4605,3340 6850,3340 6880,3370 6880,3605 6855,3630 U9.10@6789.49,3630
HALL_11: R60.2 U3.7 U11.84 | length 3404.7
  Top Layer w10: U11.84@4453.74,3151.26 4453.74,3403.74 4485,3435 5995,3435 6025,3465 6025,4145 6070,4190 6540,4190 6565,4215 R60.2@6565,4260 U3.7@6380,4445
HALL_11_IN: HALL11.2 U3.2 | length 455
  Top Layer w40: U3.2@6380,4830 HALL11.2@6380,5285